# Altium PCB Arcaboard.PcbDoc (part 1 of 2)
Units mm, origin at the board's own origin, x right, y up, seen from the top; angles counter-clockwise.
Board outline 130.94 x 103.89 mm, 2 copper layers (Top Layer, Bottom Layer), stack 1.581 mm thick; 165 components, 115 nets, 564 pads, 574 vias.
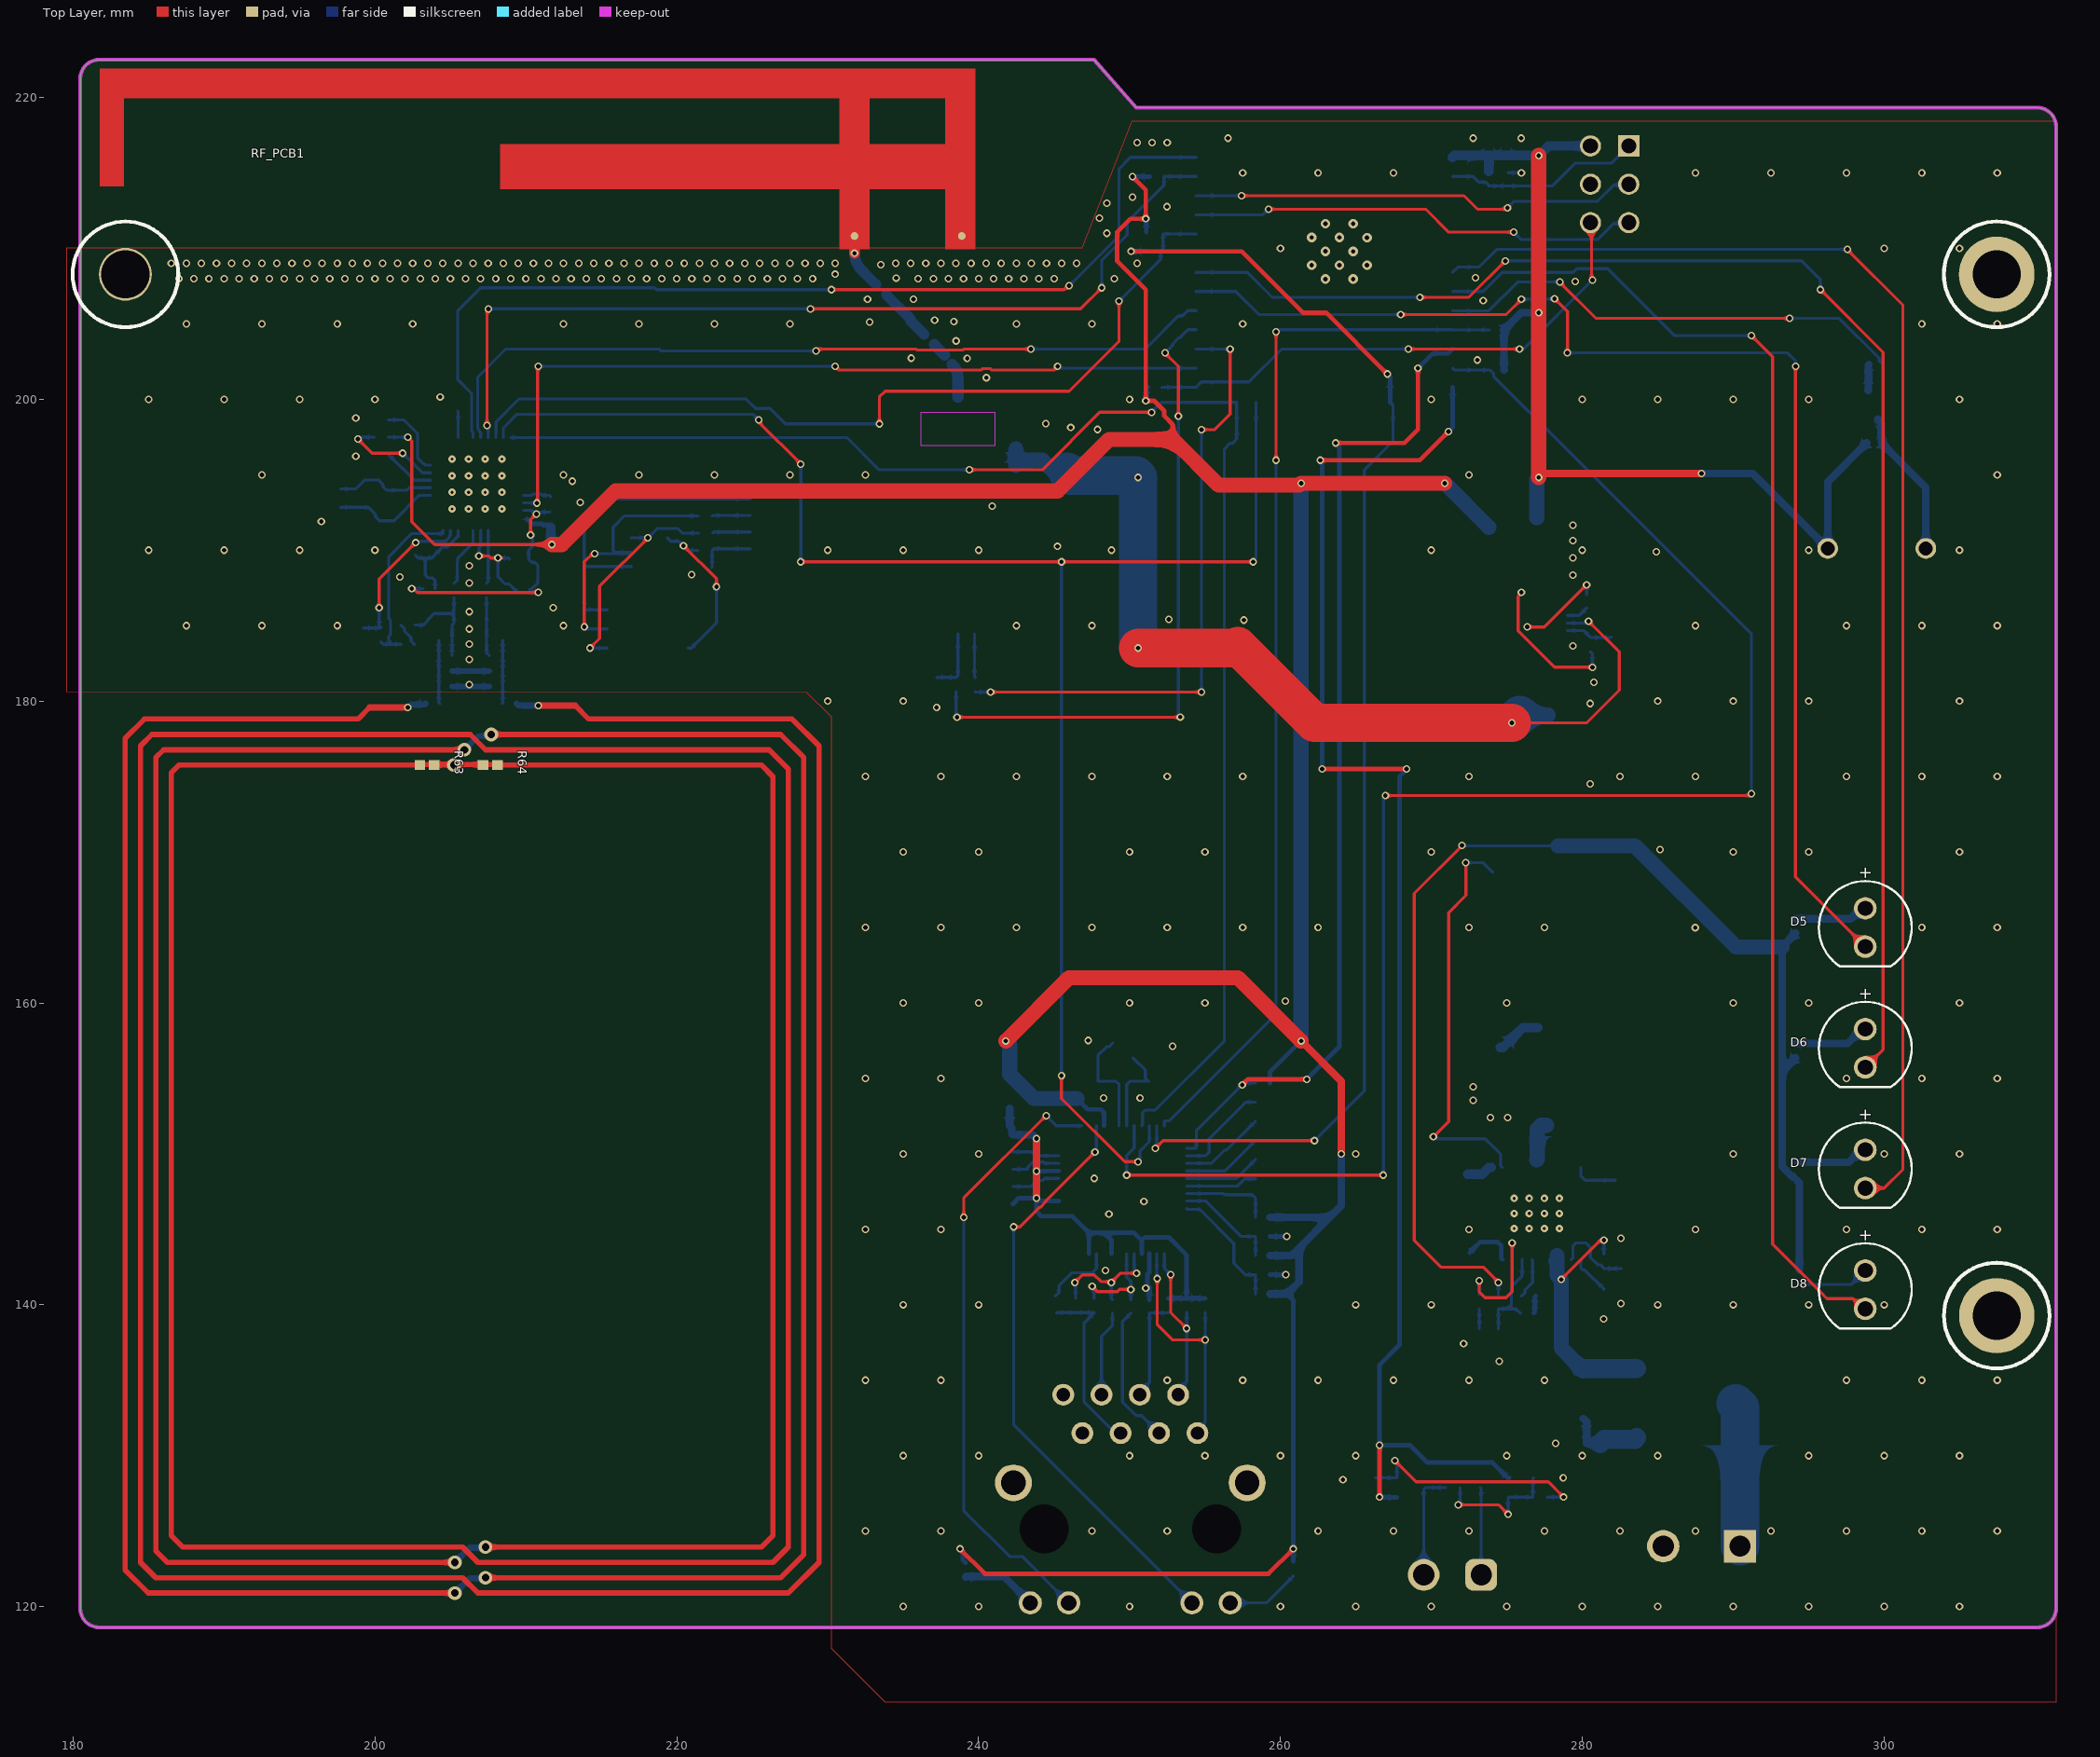
[diagram p0: Top Layer view]
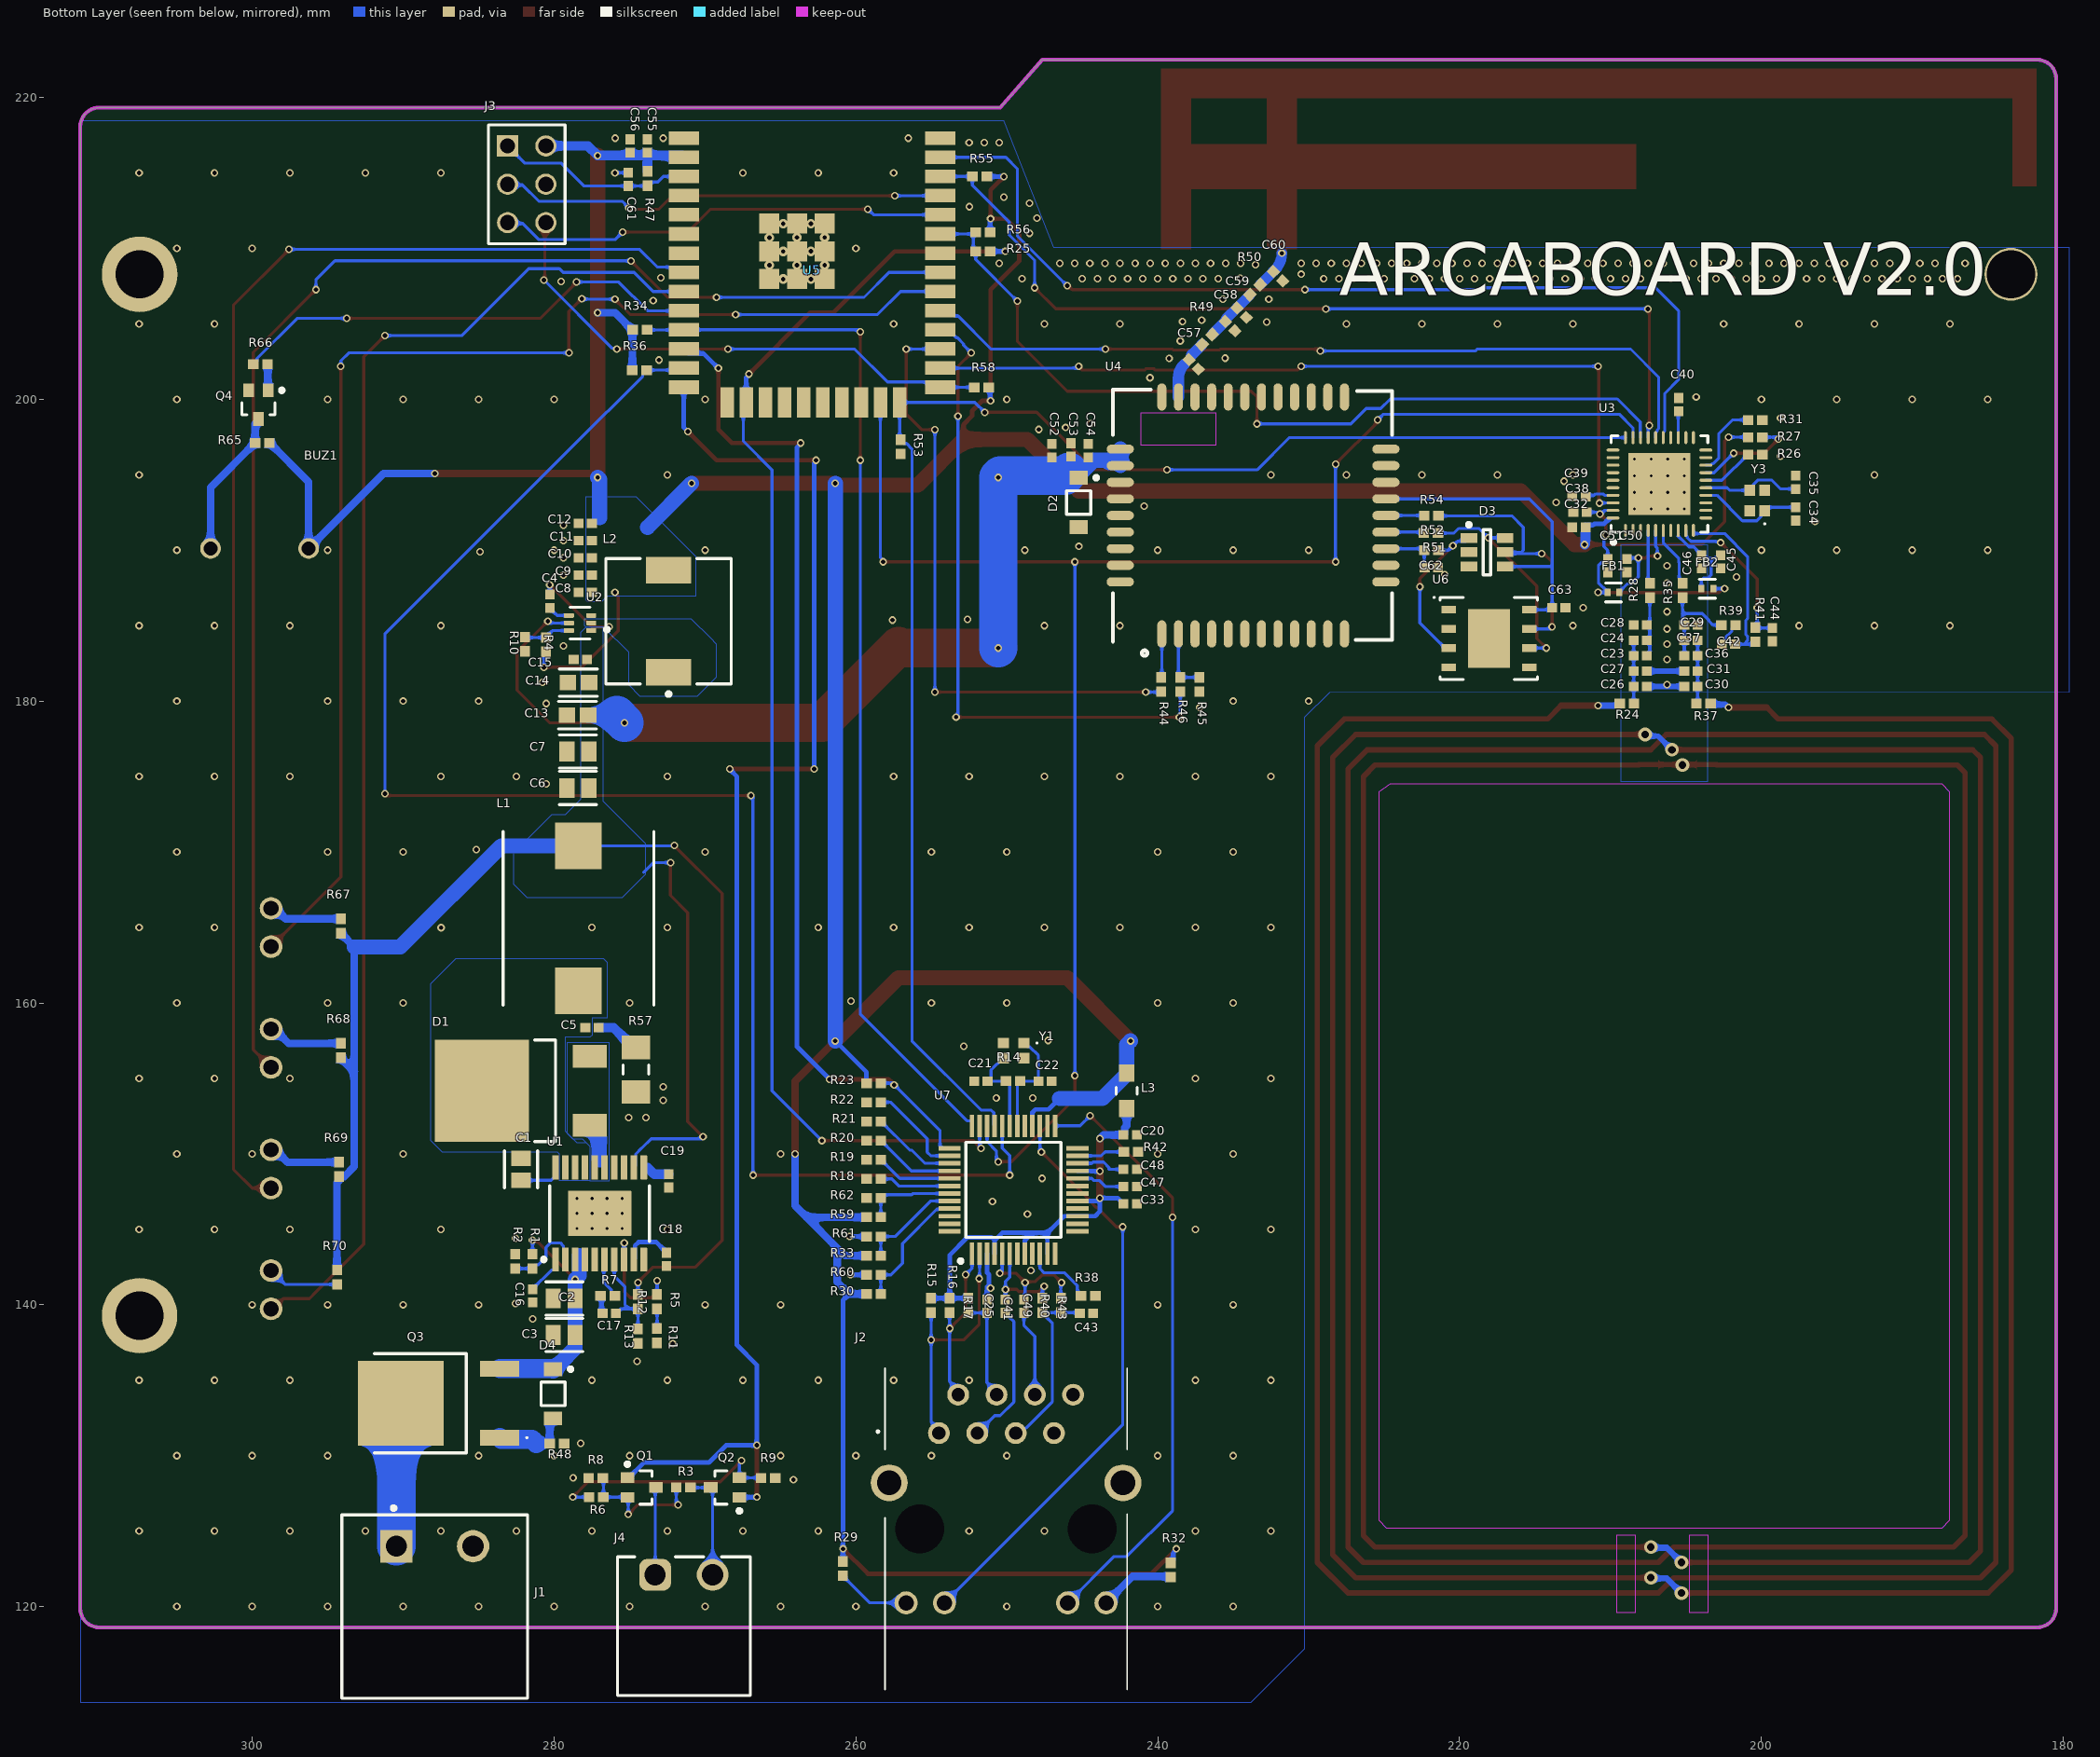
[diagram p1: Bottom Layer view, seen from below]

## Layer stack, top to bottom
Top Solder: solder mask 0.0102, Solder Resist, Dk 3.5
Top Layer: signal copper 0.0356
Dielectric 1: dielectric 1.51, FR-4, Dk 4.8
Bottom Layer: signal copper 0.0356
Bottom Solder: solder mask 0.0102, Solder Resist, Dk 3.5

## Board outline
180.467,119.888 ccw(c181.737,119.888) 181.737,118.618 310.134,118.618 ccw(c310.134,119.888) 311.404,119.888 311.404,218.059 ccw(c310.134,218.059) 310.134,219.329 250.444,219.329 247.65,222.504 181.737,222.504 ccw(c181.737,221.234) 180.467,221.234

## Design rules (kind name [scope] priority, off if disabled: settings)
AssemblyTestPointUsage AssemblyTestPointUsage_1 [All] p2:
AssemblyTestpoint AssemblyTestpoint_1 [All] p2: testpointundercomponent=TRUE minsize=1.016 maxsize=2.54 preferedsize=1.524 minholesize=0 maxholesize=1.016 preferedholesize=0.813 testpointgrid=0.025 usegrid=TRUE gridtolerance=0 allowsidetop=TRUE allowsidebottom=TRUE
Clearance "Board outline clearance" [All vs OnLayer('Keep-Out Layer')] p1: gap=0.381 ignorepadtopadclearanceinfootprint=FALSE except(0: Arc-Hole Track-Hole SMDPad-Hole THPad-Hole Via-Hole Fill-Hole Poly-Hole Region-Hole Text-Hole)
Clearance Clearance_1 [All] p2: gap=0.2 ignorepadtopadclearanceinfootprint=FALSE except(0: Arc-Hole Track-Hole SMDPad-Hole THPad-Hole Via-Hole Fill-Hole Poly-Hole Region-Hole Text-Hole; 0.127: Track-Track; 0.17: SMDPad-SMDPad; 0.254: Track-Via; 0.33: Track-THPad)
ComponentClearance [InComponent('L1')] p1: gap=0 collisioncheckmode=3 verticalgap=0.254 showdistances=FALSE
ComponentClearance UFL [InComponent('RF_CON1')] p2: gap=0 collisioncheckmode=3 verticalgap=0.254 showdistances=FALSE
ComponentClearance ComponentClearance_1 [All] p3: gap=0.254 collisioncheckmode=3 verticalgap=0.254 showdistances=FALSE
DiffPairsRouting [All] p1: maxlimit=0.254 minlimit=0.203 mostfreqgap=0.254 toplayer_minwidth=0.203 toplayer_maxwidth=0.381 toplayer_prefwidth=0.381 bottomlayer_minwidth=0.203 bottomlayer_maxwidth=0.381 bottomlayer_prefwidth=0.381 maxuncoupledlength=12.7
DiffPairsRouting DiffPairsRouting_1 [All] p2: maxlimit=0.254 minlimit=0.254 mostfreqgap=0.254 toplayer_minwidth=0.381 toplayer_maxwidth=0.381 toplayer_prefwidth=0.381 bottomlayer_minwidth=0.381 bottomlayer_maxwidth=0.381 bottomlayer_prefwidth=0.381 maxuncoupledlength=12.7
FabricationTestPointUsage FabricationTestPointUsage_1 [All] p2: valid=0 allowmultiple=FALSE
FabricationTestpoint FabricationTestpoint_1 [All] p2: side=3 testpointundercomponent=TRUE minsize=1.016 maxsize=2.54 preferedsize=1.524 minholesize=0 maxholesize=1.016 preferedholesize=0.813 testpointgrid=0.025 allowsidetop=TRUE allowsidebottom=TRUE usegrid=TRUE gridtolerance=0
FanoutControl Fanout_LCC [IsLCC] p1: bgadir=Out bgaviamode=Centered fanoutstyle=Auto fanoutdirection=Alternating viagrid=0.025 // Fanout_LCC (Default Rule)
FanoutControl Fanout_BGA [IsBGA] p2: bgadir=Out bgaviamode=Centered fanoutstyle=Auto fanoutdirection=Alternating viagrid=0.025 // Fanout_BGA (Default Rule)
FanoutControl Fanout_Small [(CompPinCount < 5)] p3: bgadir=Out bgaviamode=Centered fanoutstyle=Auto fanoutdirection=OutThenIn viagrid=0.025 // Fanout_Small (Default Rule)
FanoutControl Fanout_SOIC [IsSOIC] p4: bgadir=Out bgaviamode=Centered fanoutstyle=Auto fanoutdirection=Alternating viagrid=0.025 // Fanout_SOIC (Default Rule)
FanoutControl Fanout_BGA_1 [IsBGA] p6: bgadir=Out bgaviamode=Centered fanoutstyle=Auto fanoutdirection=Alternating viagrid=0.025 // Fanout_BGA (Default Rule)
FanoutControl Fanout_LCC_1 [IsLCC] p7: bgadir=Out bgaviamode=Centered fanoutstyle=Auto fanoutdirection=Alternating viagrid=0.025 // Fanout_LCC (Default Rule)
FanoutControl Fanout_SOIC_1 [IsSOIC] p8: bgadir=Out bgaviamode=Centered fanoutstyle=Auto fanoutdirection=Alternating viagrid=0.025 // Fanout_SOIC (Default Rule)
FanoutControl Fanout_Small_1 [(CompPinCount < 5)] p9: bgadir=Out bgaviamode=Centered fanoutstyle=Auto fanoutdirection=OutThenIn viagrid=0.025 // Fanout_Small (Default Rule)
FanoutControl Fanout_Default_1 [All] p10: bgadir=Out bgaviamode=Centered fanoutstyle=Auto fanoutdirection=Alternating viagrid=0.025 // Fanout_Default (Default Rule)
Height Height_1 [All] p1: minheight=0 maxheight=50 prefheight=12.7
HoleSize HoleSize_1 [All] p1: absolutevalues=TRUE maxlimit=15 minlimit=0.2 maxpercent=80.000 minpercent=20.000
HoleToHoleClearance u8 [All vs InComponent('u8_1')] p1: gap=0 allowstackedmicrovias=TRUE
HoleToHoleClearance [All] p2: gap=0.254 allowstackedmicrovias=TRUE
LayerPairs LayerPairs_1 [All] p1: enforce=TRUE
MinimumAnnularRing [All] p1: minimumring=0.1
MinimumSolderMaskSliver MinimumSolderMaskSliver_1 [All] p1 off: minsoldermaskwidth=0.2
NetAntennae NetAntennae_NFC [OnLayer('Top Layer')] p1: netantennaetolerance=1
NetAntennae [All] p2: netantennaetolerance=0
PasteMaskExpansion PasteMaskExpansion_1 [All] p2: expansion=0
PlaneClearance PlaneClearance_1 [All] p1: clearance=0.508
PlaneConnect PlaneConnect_1 [All] p1: planeconnectstyle=Relief reliefexpansion=0.508 reliefentries=4 reliefconductorwidth=0.7 reliefairgap=0.254
PolygonConnect Via [IsVia] p1: connectstyle=Direct reliefconductorwidth=0.254 reliefentries=4 polygonreliefangle="90 Angle" airgapwidth=0.254
PolygonConnect [All] p2: connectstyle=Direct reliefconductorwidth=0.508 reliefentries=4 polygonreliefangle="90 Angle" airgapwidth=0.254
RoutingCorners RoutingCorners_1 [All] p2: cornerstyle=45-Degree minsetback=2.54 maxsetback=2.54
RoutingLayers RoutingLayers_1 [All] p2: top layer_v5=TRUE bottom layer_v5=TRUE
RoutingPriority RoutingPriority_1 [All] p2: routingpriority=0
RoutingTopology RoutingTopology_1 [All] p2: topology=Shortest
RoutingVias RoutingVias_1 [All] p1: holewidth=0.3 width=0.5 viastyle="Through Hole" minholewidth=0.2 minwidth=0.4 maxholewidth=0.711 maxwidth=1.27
ShortCircuit ShortCircuit_Antenna [InNet('NetC60_2') OR InNet('GND') OR InNet('NetR37_1')OR InNet('NetR24_2')] p1: allowed=TRUE
ShortCircuit ShortCircuit_1 [All] p2: allowed=FALSE
SilkToSilkClearance SilkToSilkClearance_1 [All] p1: silktosilkclearance=0
SilkToSolderMaskClearance SilkToSolderMaskClearance_1 [IsPad] p1: minsilkscreentomaskgap=0 clearancetoexposedcopper=TRUE
SolderMaskExpansion [All] p1: expansion=0.102 istentingtop=FALSE
SolderMaskExpansion SolderMaskExpansion_1 [All] p2: expansion=0.102 istentingtop=FALSE
UnRoutedNet UnRoutedNet_1 [All] p1:
UnpouredPolygon UnpouredPolygon_1 [All] p2:
Width Width_GSM_ANTENNA_1 [InNet('NetC10_2')] p1: maxlimit=0.35 minlimit=0.35 preferedwidth=0.35
Width Width_GSM_ANTENNA_2 [InNet('NetC9_2')] p2: maxlimit=0.35 minlimit=0.35 preferedwidth=0.35
Width Width_1 [All] p3: maxlimit=8 minlimit=0.1 preferedwidth=0.2
12 further rules are at their usual default settings.

## Classes and differential pairs
net class GPRS_RF: NetC57_2 NetC58_2 NetC60_2

## Components (designator, comment, footprint, x,y, rotation, side; value= is the part's Value field where it differs from the comment)
BUZ1 "CUI CMT-1285C-035" BUZZER-12MM-NS 299.517,190.119 r180 bottom
C1 "22 nF 0805 X7R 100V" FP-GRM21B-0_15-IPC_C 282.194,148.971 r90 bottom
C2 "2.2uF 0805 X7T 100V" FP-GRM21B-0_15-IPC_C 279.33,140.412 r0 bottom
C3 "2.2uF 0805 X7T 100V" FP-GRM21B-0_15-IPC_C 279.33,137.999 r0 bottom
C4 "100nF 0402 X7R 50V" CAPC1005X55X25NL5T10 280.289,186.622 r270 bottom
C5 "330pF 0402 X7R 100V" CAPC1005X55X25NL5T10 277.495,158.369 r180 bottom
C6 "100 UF 0805 X7R 6V3" FP-GRM21B-0_15-IPC_C 278.42,174.244 r0 bottom
C7 "22 UF 0805 X7R 25V" FP-GRM21B-0_15-IPC_C 278.42,176.657 r0 bottom
C8 "10uF 0402 X5R 10V" CAPC1005X55X25NL5T10 277.935,187.198 r180 bottom
C9 "10uF 0402 X5R 10V" CAPC1005X55X25NL5T10 277.935,188.341 r180 bottom
C10 "10uF 0402 X5R 10V" CAPC1005X55X25NL5T10 277.935,189.484 r180 bottom
C11 "10uF 0402 X5R 10V" CAPC1005X55X25NL5T10 277.935,190.627 r180 bottom
C12 "100nF 0402 X7R 50V" CAPC1005X55X25NL5T10 277.935,191.77 r180 bottom
C13 "10uF 0603 X5R 25V" FP-GRM188-0_2-IPC_B 278.445,179.07 r180 bottom
C14 "10uF 0603 X5R 25V" FP-GRM188-0_2-IPC_B 278.384,181.229 r180 bottom
C15 "100nF 0402 X7R 50V" CAPC1005X55X25NL5T10 278.257,182.753 r180 bottom
C16 "1uF 0402 X5R 25V" CAPC1005X55X25NL5T10 281.432,140.589 r90 bottom
C17 "10nF 0402 X7R 100V" CAPC1005X55X25NL5T10 276.352,139.446 r0 bottom
C18 "330pF 0402 X7R 100V" CAPC1005X55X25NL5T10 272.542,143.002 r270 bottom
C19 "10nF 0402 X7R 100V" CAPC1005X55X25NL5T10 272.415,148.209 r270 bottom
C20 "100nF 0402 X7R 50V" CAPC1005X55X25NL5T10 241.83,151.257 r180 bottom
C21 "18pF 0402 X5R 10V" CAPC1005X55X25NL5T10 251.714,154.813 r0 bottom
C22 "18pF 0402 X5R 10V" CAPC1005X55X25NL5T10 247.464,154.813 r180 bottom
C23 "22pF 0402 C0G 50V" CAPC1005X55X25NL5T10 208.026,183.007 r180 bottom
C24 "220pF 0402 C0G 50V" CAPC1005X55X25NL5T10 208.026,184.023 r180 bottom
C25 "10nF 0402 X7R 50V" CAPC1005X55X25NL5T10 251.318,139.899 r90 bottom
C26 "220pF 0402 C0G 50V" CAPC1005X55X25NL5T10 208.026,180.975 r180 bottom
C27 "100pF 0402 C0G 50V" CAPC1005X55X25NL5T10 208.026,181.991 r180 bottom
C28 "220pF 0402 C0G 50V" CAPC1005X55X25NL5T10 208.026,185.039 r0 bottom
C29 "220pF 0402 C0G 50V" CAPC1005X55X25NL5T10 204.665,185.039 r0 bottom
C30 "220pF 0402 C0G 50V" CAPC1005X55X25NL5T10 204.665,180.975 r180 bottom
C31 "100pF 0402 C0G 50V" CAPC1005X55X25NL5T10 204.665,181.991 r180 bottom
C32 "100nF 0402 X7R 50V" CAPC1005X55X25NL5T10 212.09,191.516 r0 bottom
C33 "100nF 0402 X7R 50V" CAPC1005X55X25NL5T10 241.83,146.685 r0 bottom
C34 "15pF 0402 X5R 10V" CAPC1005X55X25NL5T10 197.739,192.405 r270 bottom
C35 "15pF 0402 X5R 10V" CAPC1005X55X25NL5T10 197.739,194.496 r90 bottom
C36 "22pF 0402 C0G 50V" CAPC1005X55X25NL5T10 204.665,183.007 r180 bottom
C37 "220pF 0402 C0G 50V" CAPC1005X55X25NL5T10 204.665,184.023 r180 bottom
C38 "100nF 0402 X7R 50V" CAPC1005X55X25NL5T10 212.022,192.532 r0 bottom
C39 "10uF 0402 X5R 10V" CAPC1005X55X25NL5T10 212.09,193.548 r0 bottom
C40 "100nF 0402 X7R 50V" CAPC1005X55X25NL5T10 205.486,199.644 r90 bottom
C41 "6.8nF 0402 X7R 50V" CAPC1005X55X25NL5T10 250.09,139.899 r270 bottom
C42 "1nF 0402 X7R 50V" CAPC1005X55X25NL5T10 202.184,183.769 r180 bottom
C43 "10nF 0402 X7R 50V" CAPC1005X55X25NL5T10 244.729,139.446 r180 bottom
C44 "100nF 0402 X7R 50V" CAPC1005X55X25NL5T10 199.263,184.404 r270 bottom
C45 "10uF 0402 X5R 10V" CAPC1005X55X25NL5T10 202.692,189.23 r270 bottom
C46 "100nF 0402 X7R 50V" CAPC1005X55X25NL5T10 203.962,189.23 r270 bottom
C47 "4.7uF 0402 X7R 50V" CAPC1005X55X25NL5T10 241.83,147.828 r0 bottom
C48 "10nF 0402 X7R 50V" CAPC1005X55X25NL5T10 241.83,148.971 r0 bottom
C49 "6.8nF 0402 X7R 50V" CAPC1005X55X25NL5T10 248.863,139.899 r270 bottom
C50 "10uF 0402 X5R 10V" CAPC1005X55X25NL5T10 208.915,188.976 r270 bottom
C51 "100nF 0402 X7R 50V" CAPC1005X55X25NL5T10 210.185,188.976 r270 bottom
C52 "10uF 0402 X5R 10V" CAPC1005X55X25NL5T10 247.015,196.596 r270 bottom
C53 "100nF 0402 X7R 50V" CAPC1005X55X25NL5T10 245.745,196.655 r270 bottom
C54 "18pF 0402 X5R 50V" CAPC1005X55X25NL5T10 244.602,196.596 r270 bottom
C55 "10uF 0402 X5R 10V" CAPC1005X55X25NL5T10 273.812,216.789 r270 bottom
C56 "100nF 0402 X7R 50V" CAPC1005X55X25NL5T10 274.955,216.789 r270 bottom
C57 "100nF 0402 X7R 50V" CAPC1005X55X25NL5T10 237.617,202.311 r45 bottom
C58 "100nF 0402 X7R 50V" CAPC1005X55X25NL5T10 235.204,204.851 r45 bottom
C59 "100nF 0402 X7R 50V" CAPC1005X55X25NL5T10 234.442,205.74 r45 bottom
C60 "100nF 0402 X7R 50V" CAPC1005X55X25NL5T10 232.029,208.153 r45 bottom
C61 "1uF 0402 X5R 25V" CAPC1005X55X25NL5T10 275.082,214.571 r270 bottom
C62 "18pF 0402 X5R 50V" CAPC1005X55X25NL5T10 221.869,188.849 r0 bottom
C63 "100nF 0402 X7R 50V" CAPC1005X55X25NL5T10 213.428,186.182 r0 bottom
D1 "VS-6CWQ10FN-M3" FP-95627-0 282.194,154.178 r90 bottom
D2 "MMSZ5231BT1G" ONSC-SOD-123-2-425-04_V 245.237,193.167 r270 bottom
D3 "ESDA6V1-5SC6" MF06A_N 218.186,189.865 r180 bottom
D4 "MMSZ10T1G" ONSC-SOD-123-2-425-04_V 280.068,134.096 r270 bottom
D5 "151051BS04000" WL-TMRC_D5.9H8.7 298.755,165 r270 top
D6 "151051BS04000" WL-TMRC_D5.9H8.7 298.755,157 r270 top
D7 "151051BS04000" WL-TMRC_D5.9H8.7 298.755,149 r270 top
D8 "151051BS04000" WL-TMRC_D5.9H8.7 298.755,141 r270 top
FB1 "BLM15AG121SN1D" FP-BLM15-0_05-MFG 209.804,187.198 r0 bottom
FB2 "BLM15AG121SN1D" FP-BLM15-0_05-MFG 203.581,187.452 r180 bottom
J1 "1757242" FP-1757242-MFG 287.909,120 r180 bottom
J2 "HR911105A" HR911105A 254.496,131.497 r0 bottom
J3 "Samtec SLW-103-01-T-D" PCB-37z8hw1ej4f71bosen9e-1 283.083,216.789 r180 bottom
J4 "691322310002" 691322310002 271.399,118.704 r180 bottom
L1 "104CDMCCDS-330MC" INDPM115100X400N 278.384,165.608 r90 bottom
L2 "1217AS-H-3R3N=P3" FP-DEM8045C-MFG 272.415,185.293 r90 bottom
L3 "LQM21PN1R0MGHL" FP-LQM21PH_G0-MFG 242.062,154.178 r270 bottom
Q1 "BSS138W-7-F" DIOD-SOT323-3_V 274.193,127.889 r180 bottom
Q2 "BSS138W-7-F" DIOD-SOT323-3_V 268.671,127.889 r0 bottom
Q3 "DMP10H400SK3-13" DMP10H400SK313 287.655,133.477 r90 bottom
Q4 "BSS138W-7-F" DIOD-SOT323-3_V 299.593,199.644 r270 bottom
R1 "10k 0402 0.1%" RESC1005X40X25ML05T10 281.432,142.875 r90 bottom
R2 "1k 0402 1%" RESC1005X40X25ML05T10 282.575,142.875 r90 bottom
R3 "0R 0402 1%" RESC1005X40X25ML05T10 271.432,127.889 r0 bottom
R4 "47k 0402 0.1%" RESC1005X40X25ML05T10 280.543,183.736 r270 bottom
R5 "10k 0402 0.1%" RESC1005X40X25ML05T10 273.177,140.208 r270 bottom
R6 "0R 0402 1%" RESC1005X40X25ML05T10 277.208,127.254 r180 bottom
R7 "49.9k 0402 0.1%" RESC1005X40X25ML05T10 276.446,140.589 r0 bottom
R8 "0R 0402 1%" RESC1005X40X25ML05T10 277.241,128.524 r0 bottom
R9 "0R 0402 1%" RESC1005X40X25ML05T10 265.811,128.524 r180 bottom
R10 "10k 0402 0.1%" RESC1005X40X25ML05T10 281.94,183.769 r90 bottom
R11 "10k 0402 0.1%" RESC1005X40X25ML05T10 273.177,137.955 r270 bottom